# Altium PCB DRS4-PCB.PcbDoc (part 4 of 15)
Units mil, origin at the board's own origin, x right, y up, seen from the top; angles counter-clockwise.
Board outline 12350 x 7411.06 mil, 12 copper layers (Top Layer, Ground Layer 2, Signal Layer 3, Signal Layer 4, Ground Layer 5, Power Layer 6, Ground Layer 7, Ground Layer 8, Power Layer 9, Power Layer 10, Ground Layer 11, Bottom Layer), stack 61.6 mil thick; 1264 components, 1069 nets, 3958 pads, 2329 vias.
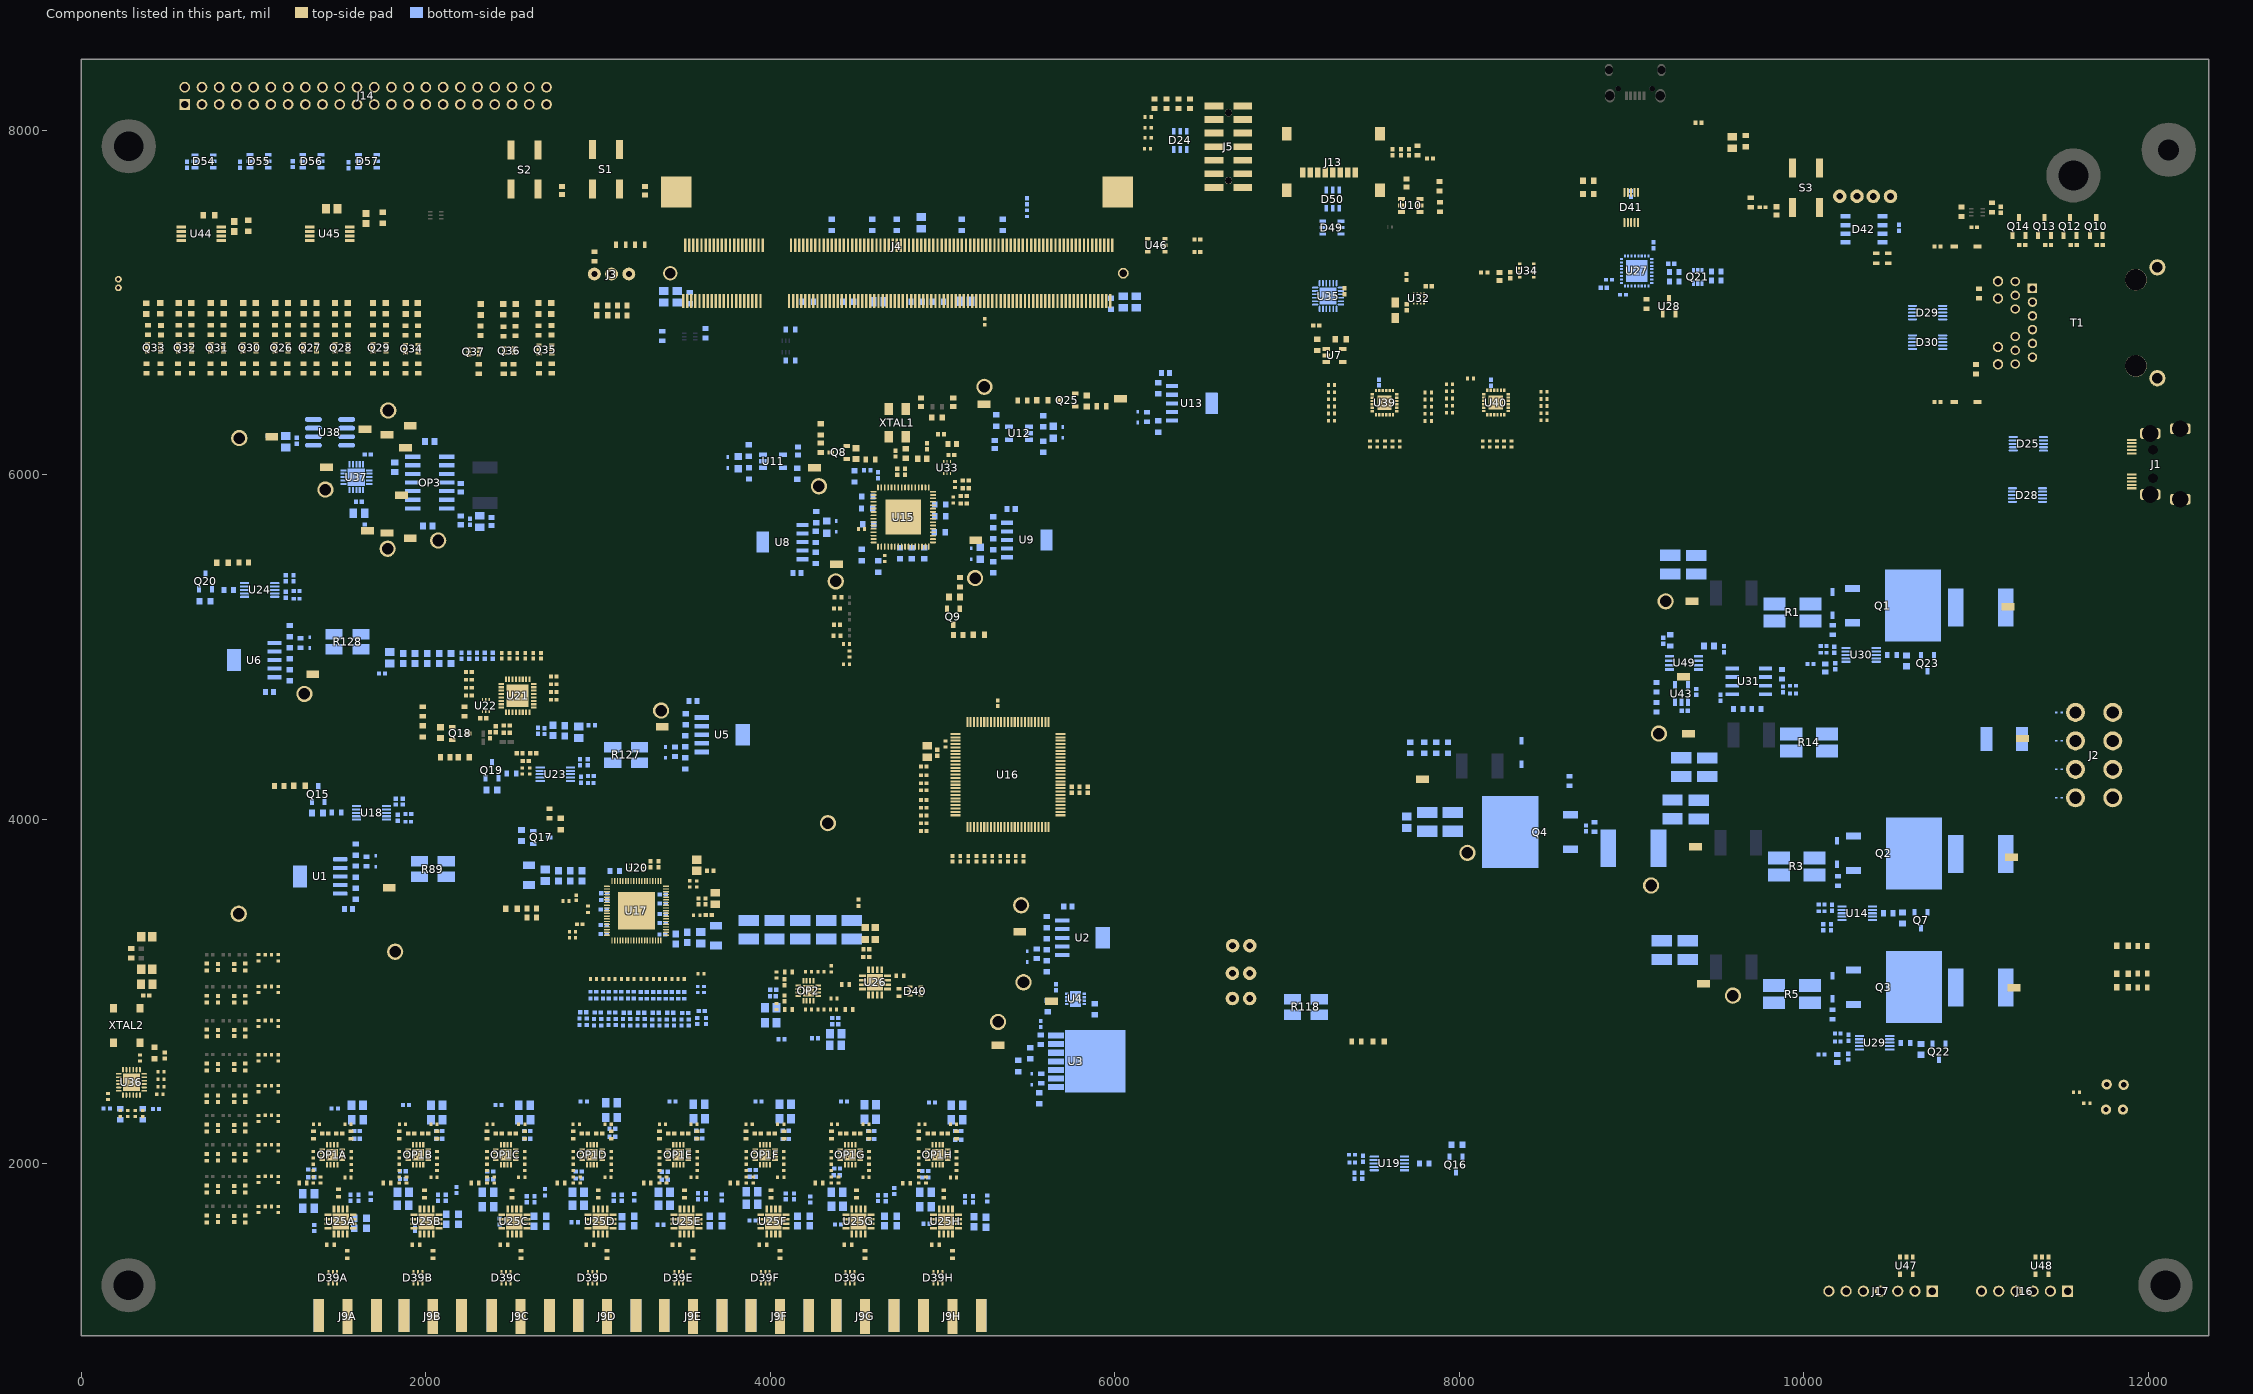
[diagram p14: the components of this part, seen from the top]

## Components (designator, comment, footprint, x,y, rotation, side; value= is the part's Value field where it differs from the comment) (continued)
R290 "Res_Panasonic_ERJ-3EKF1692V_16.9kOhm" Res_Panasonic_ERJ-3EKF1692V_16.9kOhm 2202,5924 r90 bottom
R291 "22R +/-1% 0603 100 mW" RESC1609X50X30ML08T20 1818.89,6044 r90 bottom
R292 "Res_Panasonic_ERJ-3EKF1692V_16.9kOhm" Res_Panasonic_ERJ-3EKF1692V_16.9kOhm 2202,5735 r270 bottom
R293 "680R 5% 0603" RESC0603(1608)_L 1199.41,6839.45 r90 top value="680.00 Ohm"
R294 "680R 5% 0603" RESC0603(1608)_L 1124.61,6839.45 r90 top value="680.00 Ohm"
R295 "680R 5% 0603" RESC0603(1608)_L 1364.96,6839.45 r90 top value="680.00 Ohm"
R296 "680R 5% 0603" RESC0603(1608)_L 1290.16,6839.45 r90 top value="680.00 Ohm"
R297 "680R 5% 0603" RESC0603(1608)_L 1547.28,6839.45 r90 top value="680.00 Ohm"
R298 "680R 5% 0603" RESC0603(1608)_L 1472.48,6839.45 r90 top value="680.00 Ohm"
R299 "680R 5% 0603" RESC0603(1608)_L 1767.83,6839.46 r90 top value="680.00 Ohm"
R300 "680R 5% 0603" RESC0603(1608)_L 1693.03,6839.46 r90 top value="680.00 Ohm"
R301 "10K 5% 0603" RESC0603(1608)_L 1115.32,6617.01 r270 top value="10000.00 Ohm"
R302 "10K 5% 0603" RESC0603(1608)_L 1289.65,6617.01 r270 top value="10000.00 Ohm"
R303 "10K 5% 0603" RESC0603(1608)_L 1472.68,6617.01 r270 top value="10000.00 Ohm"
R304 "10K 5% 0603" RESC0603(1608)_L 1693.67,6617.01 r270 top value="10000.00 Ohm"
R305 "10K 5% 0603" RESC0603(1608)_L 1194.95,6616.96 r90 top value="10000.00 Ohm"
R306 "10K 5% 0603" RESC0603(1608)_L 1364.45,6617.01 r90 top value="10000.00 Ohm"
R307 "10K 5% 0603" RESC0603(1608)_L 1547.48,6617.01 r90 top value="10000.00 Ohm"
R308 "10K 5% 0603" RESC0603(1608)_L 1768.47,6617.01 r90 top value="10000.00 Ohm"
R309 "680R 5% 0603" RESC0603(1608)_L 1013.39,6839.45 r90 top value="680.00 Ohm"
R310 "680R 5% 0603" RESC0603(1608)_L 938.58,6839.45 r90 top value="680.00 Ohm"
R311 "680R 5% 0603" RESC0603(1608)_L 825.83,6839.45 r90 top value="680.00 Ohm"
R312 "680R 5% 0603" RESC0603(1608)_L 751.02,6839.45 r90 top value="680.00 Ohm"
R313 "680R 5% 0603" RESC0603(1608)_L 639.77,6839.45 r90 top value="680.00 Ohm"
R314 "680R 5% 0603" RESC0603(1608)_L 564.97,6839.45 r90 top value="680.00 Ohm"
R315 "680R 5% 0603" RESC0603(1608)_L 461.65,6839.02 r90 top value="680.00 Ohm"
R316 "680R 5% 0603" RESC0603(1608)_L 386.45,6839.47 r90 top value="680.00 Ohm"
R317 "10K 5% 0603" RESC0603(1608)_L 938.58,6617.01 r270 top value="10000.00 Ohm"
R318 "10K 5% 0603" RESC0603(1608)_L 750.52,6617.01 r270 top value="10000.00 Ohm"
R319 "10K 5% 0603" RESC0603(1608)_L 560.96,6617.01 r270 top value="10000.00 Ohm"
R320 "10K 5% 0603" RESC0603(1608)_L 378.64,6617.01 r270 top value="10000.00 Ohm"
R321 "10K 5% 0603" RESC0603(1608)_L 1013.39,6617.01 r90 top value="10000.00 Ohm"
R322 "10K 5% 0603" RESC0603(1608)_L 828.82,6617.01 r90 top value="10000.00 Ohm"
R323 "10K 5% 0603" RESC0603(1608)_L 641.71,6617.01 r90 top value="10000.00 Ohm"
R324 "10K 5% 0603" RESC0603(1608)_L 459.86,6617.01 r90 top value="10000.00 Ohm"
R325 "680R 5% 0603" RESC0603(1608)_L 1953.46,6836.79 r90 top value="680.00 Ohm"
R326 "680R 5% 0603" RESC0603(1608)_L 1882.44,6836.79 r90 top value="680.00 Ohm"
R327 "680R 5% 0603" RESC0603(1608)_L 2728.82,6838.97 r90 top value="680.00 Ohm"
R328 "680R 5% 0603" RESC0603(1608)_L 2653.82,6836.5 r90 top value="680.00 Ohm"
R329 "10K 5% 0603" RESC0603(1608)_L 1880.79,6617.01 r270 top value="10000.00 Ohm"
R330 "10K 5% 0603" RESC0603(1608)_L 2655.67,6617.01 r270 top value="10000.00 Ohm"
R331 "10K 5% 0603" RESC0603(1608)_L 1955.59,6617.01 r90 top value="10000.00 Ohm"
R332 "10K 5% 0603" RESC0603(1608)_L 2730.47,6617.01 r90 top value="10000.00 Ohm"
R333 "10K 5% 0603" RESC0603(1608)_L 2452.2,6614.17 r90 top value="10000.00 Ohm"
R334 "10K 5% 0603" RESC0603(1608)_L 2306.72,6614.17 r90 top value="10000.00 Ohm"
R335 "10K 5% 0603" RESC0603(1608)_L 2507.48,6614.17 r270 top value="10000.00 Ohm"
R336 "680R 5% 0603" RESC0603(1608)_L 2449.98,6831.55 r270 top value="680.00 Ohm"
R337 "680R 5% 0603" RESC0603(1608)_L 2521,6834.79 r270 top value="680.00 Ohm"
R338 "680R 5% 0603" RESC0603(1608)_L 2317.87,6835.9 r270 top value="680.00 Ohm"
R339 "1K1 1% 0402" RESC0402(1005)_L#1 7257.64,6520.24 r180 top value="1100.00 Ohm"
R340 "1K1 1% 0402" RESC0402(1005)_L#1 7257.64,6478.9 r180 top value="1100.00 Ohm"
R341 "1K1 1% 0402" RESC0402(1005)_L#1 7257.64,6437.52 r180 top value="1100.00 Ohm"
R342 "1K1 1% 0402" RESC0402(1005)_L#1 7257.64,6396.19 r180 top value="1100.00 Ohm"
R343 "1K1 1% 0402" RESC0402(1005)_L#1 7257.64,6354.84 r180 top value="1100.00 Ohm"
R344 "1K1 1% 0402" RESC0402(1005)_L#1 7257.64,6313.5 r180 top value="1100.00 Ohm"
R345 "1K1 1% 0402" RESC0402(1005)_L#1 7480.53,6177.46 r270 top value="1100.00 Ohm"
R346 "1K1 1% 0402" RESC0402(1005)_L#1 7522.51,6177.46 r270 top value="1100.00 Ohm"
R347 "1K1 1% 0402" RESC0402(1005)_L#1 7567.48,6177.46 r270 top value="1100.00 Ohm"
R348 "1K1 1% 0402" RESC0402(1005)_L#1 7610.95,6177.46 r270 top value="1100.00 Ohm"
R349 "1K1 1% 0402" RESC0402(1005)_L#1 7819.21,6477.33 r0 top value="1100.00 Ohm"
R350 "1K1 1% 0402" RESC0402(1005)_L#1 7819.21,6435.98 r0 top value="1100.00 Ohm"
R351 "1K1 1% 0402" RESC0402(1005)_L#1 7819.21,6394.64 r0 top value="1100.00 Ohm"
R352 "1K1 1% 0402" RESC0402(1005)_L#1 7819.21,6353.29 r0 top value="1100.00 Ohm"
R353 "1K1 1% 0402" RESC0402(1005)_L#1 7819.21,6311.94 r0 top value="1100.00 Ohm"
R354 "1K1 1% 0402" RESC0402(1005)_L#1 7654.43,6177.48 r270 top value="1100.00 Ohm"
R356 "1K1 1% 0402" RESC0402(1005)_L#1 8064.57,6558.64 r0 top value="1100.00 Ohm"
R357 "1K1 1% 0402" RESC0402(1005)_L#1 7942.52,6525.04 r180 top value="1100.00 Ohm"
R358 "1K1 1% 0402" RESC0402(1005)_L#1 7942.52,6483.66 r180 top value="1100.00 Ohm"
R359 "1K1 1% 0402" RESC0402(1005)_L#1 7942.52,6442.32 r180 top value="1100.00 Ohm"
R360 "1K1 1% 0402" RESC0402(1005)_L#1 7942.52,6400.98 r180 top value="1100.00 Ohm"
R361 "1K1 1% 0402" RESC0402(1005)_L#1 7942.52,6359.61 r180 top value="1100.00 Ohm"
R362 "1K1 1% 0402" RESC0402(1005)_L#1 8135.31,6177.48 r270 top value="1100.00 Ohm"
R363 "1K1 1% 0402" RESC0402(1005)_L#1 8176.66,6177.48 r270 top value="1100.00 Ohm"
R364 "1K1 1% 0402" RESC0402(1005)_L#1 8218.02,6177.48 r270 top value="1100.00 Ohm"
R365 "1K1 1% 0402" RESC0402(1005)_L#1 8259.36,6177.48 r270 top value="1100.00 Ohm"
R366 "1K1 1% 0402" RESC0402(1005)_L#1 8491.61,6480.91 r0 top value="1100.00 Ohm"
R367 "1K1 1% 0402" RESC0402(1005)_L#1 8491.61,6439.57 r0 top value="1100.00 Ohm"
R368 "1K1 1% 0402" RESC0402(1005)_L#1 8491.61,6398.19 r0 top value="1100.00 Ohm"
R369 "1K1 1% 0402" RESC0402(1005)_L#1 8491.61,6356.85 r0 top value="1100.00 Ohm"
R370 "1K1 1% 0402" RESC0402(1005)_L#1 8491.61,6315.51 r0 top value="1100.00 Ohm"
R371 "1K1 1% 0402" RESC0402(1005)_L#1 8302.67,6177.48 r270 top value="1100.00 Ohm"
S1 "SPDT_C&K_KSC421J70SHLFSPF_50mA" SPDT_C&K_KSC421J70SHLFSPF_50mA 2966.44,7659.28 r90 top
S2 "SPDT_C&K_KSC421J70SHLFSPF_50mA" SPDT_C&K_KSC421J70SHLFSPF_50mA 2493.76,7657.4 r90 top
S3 "SPDT_C&K_KSC421J70SHLFSPF_50mA" SPDT_C&K_KSC421J70SHLFSPF_50mA 10091.08,7779.27 r270 top
T1 "7499111221A" 7499111221A 11707.14,6882 r90 top
TP1 "TP_Harwin_S2761_46R" TP_Harwin_S2761_46R#1 11185.61,5233.24 r180 bottom locked
TP2 "TP_Harwin_S2761_46R" TP_Harwin_S2761_46R#2 9349.31,5265.52 r180 top
TP3 "TP_Keystone_Electronics_5006" TP_Keystone_Electronics_5006 9197.13,5264.75 r180 top
TP4 "TP_Harwin_S2761_46R" TP_Harwin_S2761_46R#2 9371.54,3839.8 r0 top
TP5 "TP_Harwin_S2761_46R" TP_Harwin_S2761_46R#3 11205.58,3799.37 r180 bottom locked
TP6 "TP_Keystone_Electronics_5006" TP_Keystone_Electronics_5006 9112.38,3615.04 r0 top
TP7 "TP_Harwin_S2761_46R" TP_Harwin_S2761_46R#4 11328.74,3020.45 r180 bottom locked
TP8 "TP_Harwin_S2761_46R" TP_Harwin_S2761_46R#2 9416.5,3044.24 r0 top
TP9 "TP_Keystone_Electronics_5006" TP_Keystone_Electronics_5006 9587.87,2975.83 r0 top
TP10 "TP_Harwin_S2761_46R" TP_Harwin_S2761_46R#5 1768.21,3602.65 r0 bottom locked
TP11 "TP_Keystone_Electronics_5006" TP_Keystone_Electronics_5006 1821.49,3230.63 r180 top
TP12 "TP_Harwin_S2761_46R" TP_Harwin_S2761_46R#1 5447.32,3346.6 r180 bottom locked
TP13 "TP_Keystone_Electronics_5006" TP_Keystone_Electronics_5006 5455.6,3500.29 r0 top
TP14 "TP_Harwin_S2761_46R" TP_Harwin_S2761_46R#1 5630.96,2942.02 r180 bottom locked
TP15 "TP_Keystone_Electronics_5006" TP_Keystone_Electronics_5006 5469.43,3053.18 r0 top
TP16 "TP_Harwin_S2761_46R" TP_Harwin_S2761_46R#1 5321.04,2688.33 r180 bottom locked
TP17 "TP_Keystone_Electronics_5006" TP_Keystone_Electronics_5006 5321.47,2822.95 r0 top
TP18 "TP_Harwin_S2761_46R" TP_Harwin_S2761_46R#6 3372.24,4557.28 r180 bottom locked
TP19 "TP_Keystone_Electronics_5006" TP_Keystone_Electronics_5006 3365.37,4630.83 r0 top locked
TP20 "TP_Harwin_S2761_46R" TP_Harwin_S2761_46R#7 1325.94,4842.36 r180 bottom locked
TP21 "TP_Keystone_Electronics_5006" TP_Keystone_Electronics_5006 1294.67,4727.24 r0 top
TP22 "TP_Harwin_S2761_46R" TP_Harwin_S2761_46R#8 11269.78,4428.05 r180 bottom locked
TP23 "TP_Harwin_S2761_46R" TP_Harwin_S2761_46R#2 9328.98,4496.08 r0 top
TP24 "TP_Keystone_Electronics_5006" TP_Keystone_Electronics_5006 9158.36,4496.98 r0 top
TP25 "TP_Harwin_S2761_46R" TP_Harwin_S2761_46R#2 4383.65,5480.9 r0 top
TP26 "TP_Keystone_Electronics_5006" TP_Keystone_Electronics_5006 4281.9,5932.97 r0 top
TP27 "TP_Harwin_S2761_46R" TP_Harwin_S2761_46R#9 5202.09,5620.62 r180 top
TP28 "TP_Keystone_Electronics_5006" TP_Keystone_Electronics_5006 4379.45,5380.61 r180 top
TP29 "TP_Harwin_S2761_46R" TP_Harwin_S2761_46R#2 9301,4826 r180 top
TP31 "TP_Harwin_S2761_46R" TP_Harwin_S2761_46R#2 4255.76,6039.68 r0 top
TP32 "TP_Keystone_Electronics_5006" TP_Keystone_Electronics_5006 5188.21,5399.66 r0 top
TP33 "TP_Harwin_S2761_46R" TP_Harwin_S2761_46R#2 5240.22,6408.36 r180 top
TP34 "TP_Keystone_Electronics_5006" TP_Keystone_Electronics_5006 5242.42,6510.05 r180 top
TP35 "TP_Harwin_S2761_46R" TP_Harwin_S2761_46R#10 5909.43,6569.48 r180 top
TP36 "TP_Harwin_S2761_46R" TP_Harwin_S2761_46R#11 7785.81,3814.47 r180 bottom locked
TP37 "TP_Keystone_Electronics_5006" TP_Keystone_Electronics_5006 8046.82,3804.64 r180 bottom locked
TP38 "TP_Keystone_Electronics_5006" TP_Keystone_Electronics_5006 913.6,3450.79 r0 top
TP39 "TP_Keystone_Electronics_5006" TP_Keystone_Electronics_5006 4334,3977 r180 top
TP40 "TP_Harwin_S2761_46R" TP_Harwin_S2761_46R#2 1908.98,5632 r180 top
TP41 "TP_Harwin_S2761_46R" TP_Harwin_S2761_46R#2 1908.98,6285 r180 top
TP42 "TP_Harwin_S2761_46R" TP_Harwin_S2761_46R#2 1882.07,6157.17 r180 top
TP72 "TP_TE_Connectivity_5-146280-1_1POS" TP_TE_Connectivity_5-146280-1_1POS#1 11762.09,2449.86 r0 top
TP73 "TP_TE_Connectivity_5-146280-1_1POS" TP_TE_Connectivity_5-146280-1_1POS#2 11754.66,2314.4 r180 top
TP74 "TP_TE_Connectivity_5-146280-1_1POS" TP_TE_Connectivity_5-146280-1_1POS#3 11859.9,2458.22 r0 top
TP75 "TP_TE_Connectivity_5-146280-1_1POS" TP_TE_Connectivity_5-146280-1_1POS#4 11852,2314.02 r180 top
TP76 "TP_Harwin_S2761_46R" TP_Harwin_S2761_46R#12 972.36,6247.46 r180 bottom locked
TP77 "TP_Harwin_S2761_46R" TP_Harwin_S2761_46R#13 1773.94,5665.98 r180 bottom locked
TP78 "TP_Harwin_S2761_46R" TP_Harwin_S2761_46R#14 1963.11,5746.76 r180 bottom locked
TP79 "TP_Harwin_S2761_46R" TP_Harwin_S2761_46R#1 1774.25,6231.6 r180 bottom locked
TP80 "TP_Harwin_S2761_46R" TP_Harwin_S2761_46R#15 1424.97,6007.82 r180 bottom locked
TP81 "TP_Harwin_S2761_46R" TP_Harwin_S2761_46R#16 651.92,5626.17 r180 top locked
TP82 "TP_Harwin_S2761_46R" TP_Harwin_S2761_46R#2 1647.23,6263.71 r0 top
TP83 "TP_Keystone_Electronics_5006" TP_Keystone_Electronics_5006 916.65,6212.53 r0 top
TP84 "TP_Keystone_Electronics_5006" TP_Keystone_Electronics_5006 1781.42,6372.69 r0 top
TP85 "TP_Keystone_Electronics_5006" TP_Keystone_Electronics_5006 2071,5618 r0 top
TP86 "TP_Keystone_Electronics_5006" TP_Keystone_Electronics_5006 1416.82,5913.66 r0 top
TP87 "TP_Keystone_Electronics_5006" TP_Keystone_Electronics_5006 1777.9,5570.27 r180 top
U1 "TPS79525DCQR" DCQ0006A_N 1385.6,3667.5 r180 bottom
U2 "TPS79525DCQR" DCQ0006A_N 5811.91,3311.5 r0 bottom
U3 "LDO_Microchip_MIC69502WR-TR_ADJ" LDO_Microchip_MIC69502WR-TR_ADJ 5886.19,2594.27 r90 bottom
U4 "LDO_Analog_Devices_ADM7170ACPZ-2.5-R7_2.5V" LDO_Analog_Devices_ADM7170ACPZ-2.5-R7_2.5V 5771.13,2956.8 r0 bottom
U5 "TPS79530DCQR" TI-DCQ6_N 3720.1,4490.33 r0 bottom
U6 "TPS79525DCQR" DCQ0006A_N 1003.29,4924.11 r180 bottom
U7 "TLV70218DBVT" TI-DBV5_N 7274.76,6692.4 r0 top
U8 "TPS78618DCQ" DCQ0006A_L 4070.56,5609.1 r180 bottom
U9 "TPS79425DCQR" DCQ0006A_L 5488.27,5620.91 r0 bottom
U10 "MAX6820UT+T" 21-0058I_MXM 7717.72,7563 r180 top
U11 "TPS79333DBVREP" DBV0005A_M 4015.64,6078.27 r0 bottom
U12 "TPS79333DBVREP" DBV0005A_M 5444.28,6241.08 r180 bottom
U13 "TPS79525DCQR" DCQ0006A_L 6446.69,6414.23 r0 bottom
U14 "INA226AQDGSRQ1" INA226AQDGSRQ1 10309.67,3453.97 r180 bottom
U15 "IC_Silicon_Laboratories_ SI5395A-A-GM_CLK" Si5395 4771.96,5754.22 r270 top
U16 "IC_Cypress_Semiconductor_CY8C9560A-24AXI" IC_Cypress_Semiconductor_CY8C9560A-24AXI 5379.21,4259.13 r270 top
U17 "IC_PSI_DRS4" DRS4 3222.53,3468.79 r90 top
U18 "INA226AQDGSRQ1" INA226AQDGSRQ1 1684.49,4036.82 r0 bottom
U19 "INA226AQDGSRQ1" INA226AQDGSRQ1 7593.38,2001.32 r180 bottom
U20 "TMP112AIDRLR" TMP112AIDRLR 3224.56,3718.54 r0 top
U21 "AD9245" CP_32_2 2532.72,4716.73 r180 top
U22 "TMP112AIDRLR" TMP112AIDRLR 2347.93,4659.94 r270 top
U23 "INA226AQDGSRQ1" INA226AQDGSRQ1 2751.54,4261.21 r0 bottom
U24 "INA226AQDGSRQ1" INA226AQDGSRQ1 1035.01,5330.71 r0 bottom
U25A "HMC849" CP_16_40 1505.24,1664.68 r270 top (schematic designator U25)
U25B "HMC849" CP_16_40 2003.94,1664.68 r270 top (schematic designator U25)
U25C "HMC849" CP_16_40 2513.58,1664.68 r270 top (schematic designator U25)
U25D "HMC849" CP_16_40 3013.54,1664.68 r270 top (schematic designator U25)
U25E "HMC849" CP_16_40 3513.39,1664.68 r270 top (schematic designator U25)
U25F "HMC849" CP_16_40 4017.1,1664.68 r270 top (schematic designator U25)
U25G "HMC849" CP_16_40 4511.61,1664.68 r270 top (schematic designator U25)
U25H "HMC849" CP_16_40 5019.14,1664.68 r270 top (schematic designator U25)
U26 "HMC849" CP_16_40 4607.57,3052.75 r0 top
U27 "IC_FTDI_FT232RQ-REEL" IC_FTDI_FT232RQ-REEL 9029.53,7183.07 r0 bottom
U28 "MCP1812AT-018/TT" SOT23_TT_MCH 9218,6978 r0 top
U29 "INA226AQDGSRQ1" INA226AQDGSRQ1 10410.89,2702.82 r180 bottom
U30 "INA226AQDGSRQ1" INA226AQDGSRQ1 10332.34,4953.43 r180 bottom
U31 "INA200AIDR" D8 9680,4800 r0 bottom
U32 "LIS3MDLTR" LIS3MDLTR 7765.3,7022.94 r180 top
U33 "TMP112AIDRLR" TMP112AIDRLR 5025.65,6040.96 r90 top
U34 "BME280" BME280 8390.59,7185.21 r0 top
U35 "IC_TXS02612RTWR_SD_Level_Shifter" IC_TXS02612RTWR_SD_Level_Shifter 7237.44,7037 r90 bottom
U36 "SI53362-B-GM" Si53362 290.9,2472.3 r180 top
U37 "AD5675" CP_20_8 1596.28,5985.98 r90 bottom value=Value
U38 "ADR4520BRZ-R7" ADI-R-8_M 1443.31,6245.67 r0 bottom
U39 "IC_NXP_PCA9548ABS,118_I2C_8Channel" IC_NXP_PCA9548ABS,118_I2C_8Channel 7563.34,6416.84 r0 top
U40 "IC_NXP_PCA9548ABS,118_I2C_8Channel" IC_NXP_PCA9548ABS,118_I2C_8Channel 8209.8,6417.91 r0 top
U43 "LM321LVIDBVR" Texas_Instruments_LM321LVIDBVR_MFG 9288.55,4729.17 r90 bottom
U44 "TLC7733IPWR" PMU_Texas_Instruments_TLC7733IPWR_2.93 696.44,7399.02 r0 top
U45 "TLC7733IPWR" PMU_Texas_Instruments_TLC7733IPWR_2.93 1442.02,7399.02 r0 top
U46 "ESDS312DBVR" DBV0005A_L 6240.58,7331.73 r180 top value=Value
U47 "ESDS312DBVR" DBV0005A_L 10595,1408 r270 top value=Value
U48 "ESDS312DBVR" DBV0005A_L 11382,1408 r270 top value=Value
U49 "MAX11645EUA+" Maxim_Electronics_8-uMAX_0 9304,4907 r180 bottom
XTAL1 "TCXO_Murata_XTCLH50M000CHJA3P0_50MHz" TCXO_Murata_XTCLH50M000CHJA3P0_50MHz 4736.46,6302.74 r270 top
XTAL2 "AST3TQ-28 TCXO 25 MHz" XTAL_ASDM1-25.000MHZ-LC-T 263.21,2802.44 r270 top

## Footprints (in the part's own frame and the unit in brackets; to place one, negate y for a bottom-side part, rotate by r counter-clockwise, add the part's x,y. Pads: shape width x height; smd on the part's side, far side on the other; paste and mask are expansions set on the pad)
21-0058I_MXM [mil]
  rect 38.5x22 smd paste+0 mask+0: 1(-53.75,37.4) 2(-53.75,0) 3(-53.75,-37.4) 4(53.75,-37.4) 5(53.75,0) 6(53.75,37.4)
  silkscreen extent -40,-64 40,64, body extent -59,-59 59,59, height 59
7499111221A [mm] "LAN Transformer, body 33.02x16.79mm"
  rect 1.4x1.4 hole 0.89: 1(5.075,9.66)
  round 1.4 hole 0.89: 2(3.045,9.66) 3(1.015,9.66) 4(-1.015,9.66) 5(-3.045,9.66) 6(-5.075,9.66) 7(6.085,12.2) 8(4.055,12.2) 9(2.025,12.2) 10(-2.025,12.2) 11(-4.055,12.2) 12(-6.085,12.2)
  round 1.53 hole 1.03: 13(6.12,14.74) 14(3.58,14.74) 15(-3.58,14.74) 16(-6.12,14.74)
  round 3.2 hole 3.2 unplated: MH1(-6.35,-5.58) MH2(6.35,-5.58)
  round 2.4 hole 1.57: S1(-8.175,-8.76) S2(8.175,-8.76)
  silkscreen extent -9.66,-16.61 9.66,16.61, body extent -9.68,-16.51 9.69,16.51, height 16.02
09452812561 [mm]
  rect 0.3x1.4 smd: 1(-1.575,2.7) 2(-2.075,2.7) 3(-2.575,2.7) 4(-3.075,2.7) 5(-3.575,2.7) 6(1.575,2.7) 7(2.075,2.7) 8(2.575,2.7) 9(3.075,2.7) 10(3.575,2.7)
  rrect50% 1.6x3.05 hole 2.45 slot 1 at 0 deg: 11(-5.207,-4.445) 11(-4.496,0) 11(4.496,0) 11(5.207,-4.445)
  round 0.725 hole 1.45 unplated: 11(-2.1,-0.4) 12(2.1,-0.4)
  silkscreen extent -5.2,-8.03 5.2,4, body extent -5.4,-9.3 5.4,3.1, height 5.7
ADI-R-8_M [mm] "SOIC, 8-Leads, Body 4.9x3.9mm, Pitch 1.27mm, IPC Low Density"
  oval 2.5x0.7 smd: 1(-2.45,1.905) 2(-2.45,0.635) 3(-2.45,-0.635) 4(-2.45,-1.905) 5(2.45,-1.905) 6(2.45,-0.635) 7(2.45,0.635) 8(2.45,1.905)
  silkscreen extent -2.57,-2.5 0.8,2.93, body extent -2,-2.5 2,2.5, height 1.75
Amphenol_132289_0 [mm]
  rect 1.5x5.2 smd paste+0 mask+0: 1(0,6.575)
  rect 1.6x4.9 smd paste+0 mask+0: 2(-4.25,6.725) 3(4.25,6.725)
  rect 1.6x4.9 smd far side paste+0 mask+0: 4(-4.25,6.725) 5(4.25,6.725)
  silkscreen extent -2.5,7.93 2.5,7.93, body extent -5.1,-8.93 5.1,8.52, height 5.62
Bel_0ZCF_MFG [mm]
  rect 2.3x5.6 smd paste+0 mask+0: 1(-3.7,0) 2(3.7,0)
  silkscreen extent -2.17,-2.72 2.17,2.72, body extent -3.68,-2.56 3.68,2.56, height 0.65
Bel_0ZCG_MFG [mm]
  rect 1.78x3.5 smd paste+0 mask+0: 1(-2.615,0) 2(2.615,0)
  silkscreen extent -1.35,-1.71 1.35,1.71, body extent -2.27,-1.62 2.28,1.62, height 0.6
BJT_PNP_Toshiba_TMBT3906#1 [mm]
  rect 0.95x0.6 smd: 1(-1.175,0.95) 2(-1.175,-0.95) 3(1.175,0)
  silkscreen extent -1.3,-1.5 0.7,1.92, body extent -1.3,-1.5 1.3,1.5, height 1
BJT_PNP_Toshiba_TMBT3906#2 [mm]
  rect 0.95x0.6 smd: 1(-1.175,0.95) 2(-1.175,-0.947) 3(1.175,0)
  silkscreen extent -1.3,-1.5 0.7,1.92, body extent -1.3,-1.5 1.3,1.5, height 1
BJT_ROHM_EMT52T2R_100mA_PNP [mm] "Bipolar Transistors - BJT Bipolar Transistor SOT-563 SC-107C EMT6"
  rect 0.7x0.35 smd: 1(-0.725,0.5) 2(-0.725,0) 3(-0.725,-0.5) 4(0.725,-0.5) 5(0.725,0) 6(0.725,0.5)
  silkscreen extent -0.85,-0.85 0.1,1.35, body extent -0.8,-0.85 0.8,0.85, height 0.55
BJT_ROHM_US6X8TR_1A_NPN [mm] "Bipolar Transistors - BJT NPN+NPN 30VCEO 1A SOT-363T"
  rect 0.75x0.45 smd: 1(-0.95,0.65) 2(-0.95,0) 3(-0.95,-0.65) 4(0.95,-0.65) 5(0.95,0) 6(0.95,0.65)
  silkscreen extent -1.07,-1.05 0.2,1.55, body extent -1.05,-1.05 1.05,1.05, height 0.85
BME280 [mm]
  rect 0.5x0.35 smd: 1(1.016,0.975) 2(1.016,0.325) 3(1.016,-0.325) 4(1.016,-0.975) 5(-1.016,-0.975) 6(-1.016,-0.325) 7(-1.016,0.325) 8(-1.016,0.975)
  silkscreen extent 1.08,1.78 1.33,2.02, body extent -1.25,-1.25 1.25,1.25, height 1
Cap_Kemet_C0603C101J5RACTU_100pF [mm]
  rect 1.05x1 smd: 1(-0.75,0) 2(0.75,0)
  body extent -0.87,-0.48 0.88,0.48, height 0.8
Cap_Kemet_C0603C102J5RACAUTO_1nF [mm]
  rect 1.05x1 smd: 1(-0.75,0) 2(0.75,0)
  body extent -0.87,-0.48 0.88,0.48, height 0.8
Cap_Kemet_C0603C104M5RACAUTO_100nF [mm]
  rect 1.05x1 smd: 1(-0.75,0) 2(0.75,0)
  body extent -0.87,-0.48 0.87,0.48, height 0.8
Cap_Kemet_T521B226M025ATE100_22uF [mm]
  rect 1.65x3 smd: 1(-1.375,0) 2(1.375,0)
  silkscreen extent -2.54,-1.52 0.15,1.52, body extent -1.85,-1.5 1.85,1.5, height 2.1
"Cap_Murata_ GRM21BC71E106ME11L_10uF" [mm]
  rect 1.15x1.4 smd: 1(-0.85,0) 2(0.85,0)
  body extent -1,-0.63 1,0.62, height 1.25
Cap_Murata_GCJ188R71E105KA01J_1uF [mm]
  rect 0.8x0.95 smd: 1(-0.825,0) 2(0.825,0)
  silkscreen extent -0.05,-0.38 0.05,0.38, body extent -0.8,-0.4 0.8,0.4, height 1
Cap_Murata_GCM1555C1H271FA16D_270pF [mm]
  rect 0.59x0.62 smd: 1(-0.455,0) 2(0.455,0)
  body extent -0.53,-0.28 0.53,0.28, height 0.55
Cap_Murata_GCQ1555C1H120FB01D_12pF [mm]
  rect 0.66x0.62 smd: 1(-0.44,0) 2(0.44,0)
  body extent -0.53,-0.28 0.53,0.28, height 0.55
Cap_Murata_GJM1555C1H200GB01D_20pF [mm]
  rect 0.66x0.62 smd: 1(-0.44,0) 2(0.44,0)
  body extent -0.53,-0.28 0.53,0.28, height 0.55
Cap_Murata_GRM31CR61A107ME05L_100uF [mm]
  rect 1.15x1.75 smd: 1(-1.45,0) 2(1.45,0)
  silkscreen extent -0.5,-0.77 0.5,0.77, body extent -1.6,-0.8 1.6,0.8, height 0.6